# KiCad board katia.kicad_pcb
title: Katia Keyboard; date: 2026-08-24; rev: ${REVISION}; company: Author: I. Kajdan
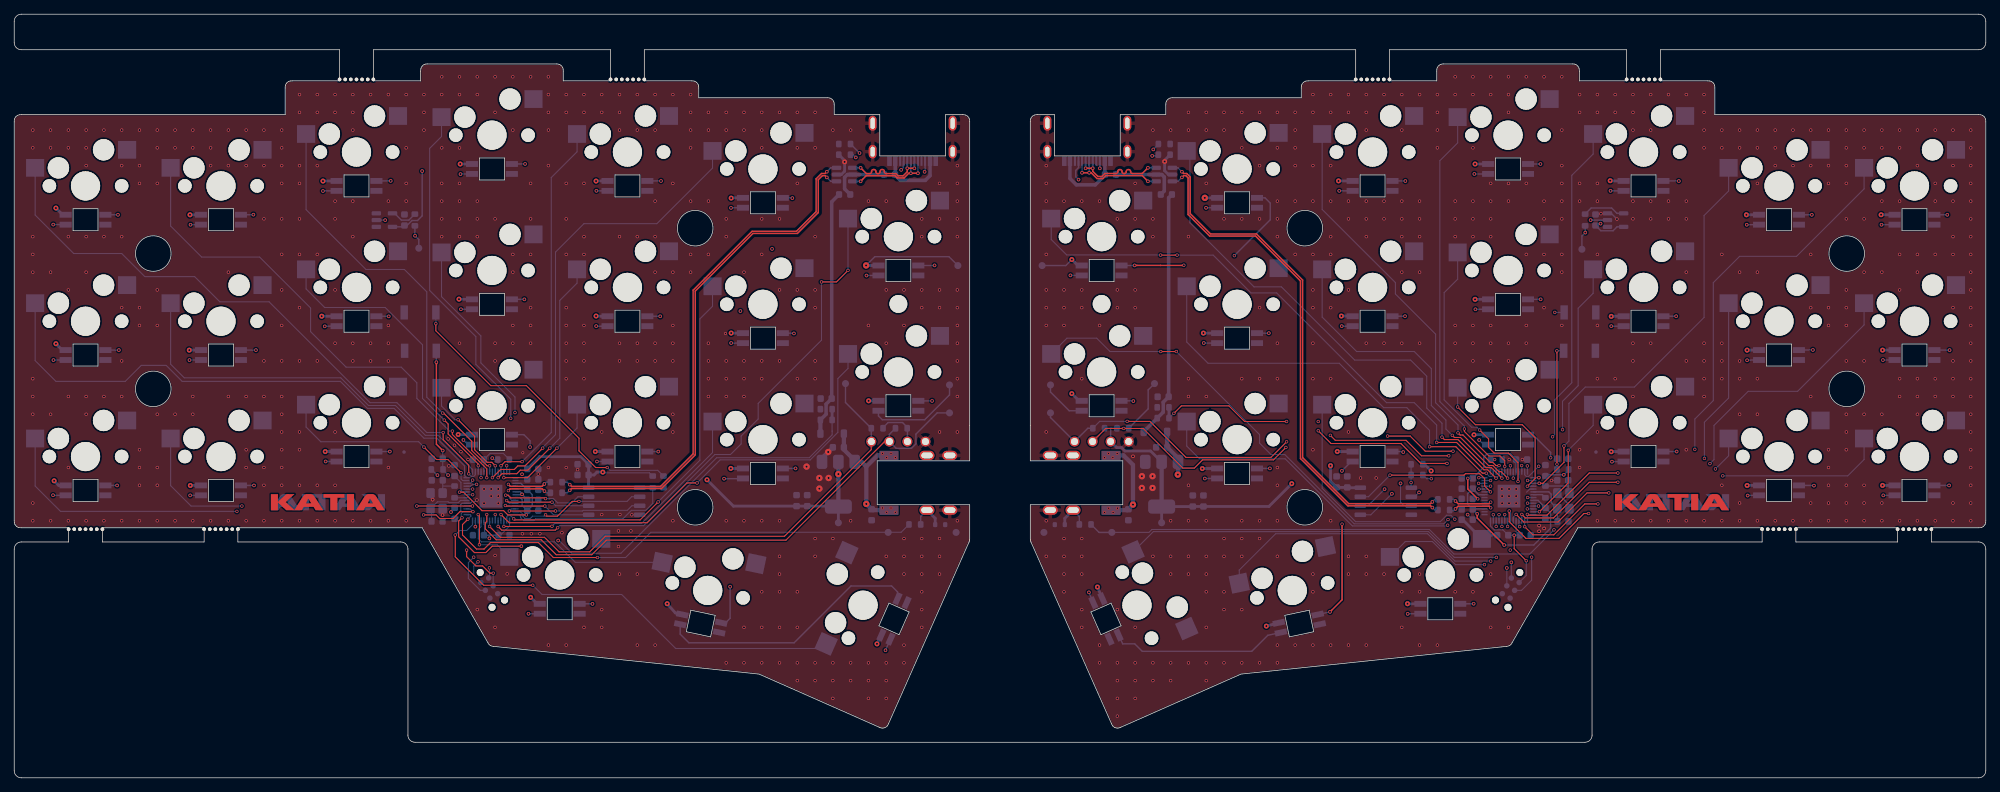
[diagram p0: board, top side]
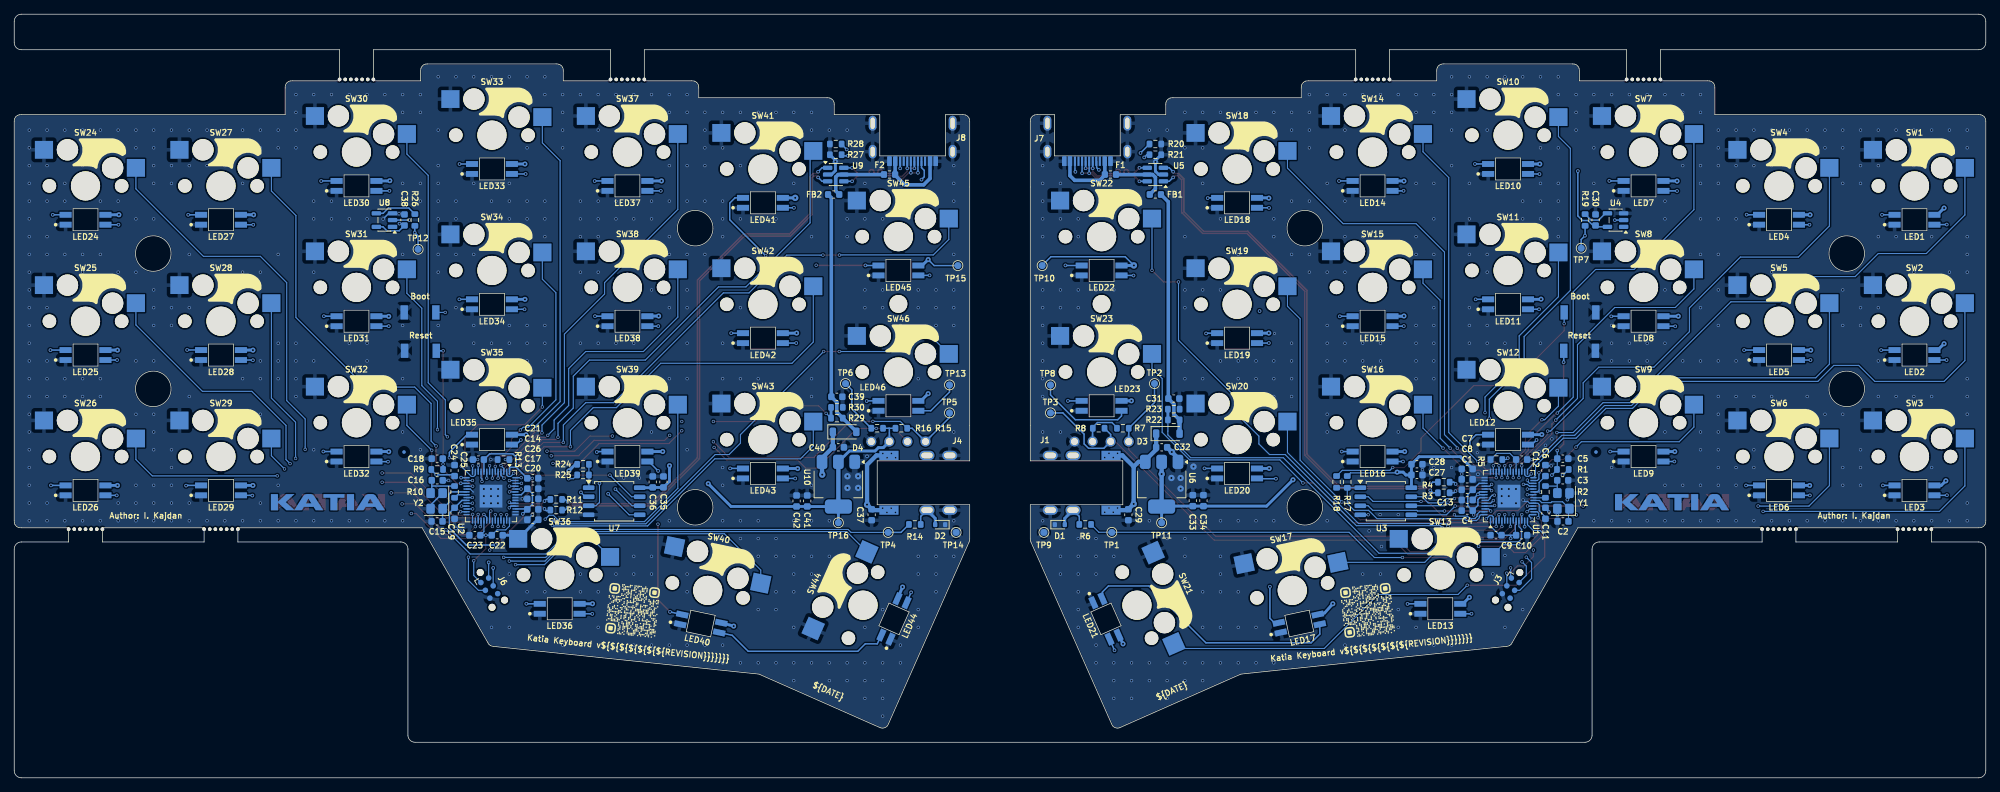
[diagram p1: board, bottom side, seen from below]

Outline 277.23 x 107.49 mm; copper layers: Top, In1.Cu, In2.Cu, Bottom. Coordinates in mm from the lower left corner of the outline.
Outline path: circle c19.55,73.8 r2.5 ; circle c19.55,54.75 r2.5 ; circle c95.75,77.37 r2.5 ; circle c95.75,38.08 r2.5 ; circle c181.48,77.37 r2.5 ; circle c181.48,38.08 r2.5 ; circle c257.68,73.8 r2.5 ; circle c257.68,54.75 r2.5 ; 0,92.35 0,36.2 ; 1,35.2 7.65,35.2 7.65,33.2 1,33.2 arc(0.29,32.91) 0,32.2 0,1 arc(0.29,0.29) 1,0 276.23,0 arc(276.93,0.29) 277.23,1 277.23,32.2 arc(276.93,32.91) 276.23,33.2 269.58,33.2 269.58,35.2 276.23,35.2 ; 38.1,97.11 38.1,93.35 1,93.35 ; 39.1,98.11 45.75,98.11 45.75,102.49 1,102.49 arc(0.29,102.79) 0,103.49 0,106.49 arc(0.29,107.2) 1,107.49 276.23,107.49 arc(276.93,107.2) 277.23,106.49 277.23,103.49 arc(276.93,102.79) 276.23,102.49 231.48,102.49 231.48,98.11 238.13,98.11 ; 220.86,5 56.36,5 arc(55.65,5.29) 55.36,6 55.36,32.2 arc(55.07,32.91) 54.36,33.2 31.45,33.2 31.45,35.2 57.36,35.2 66.61,19 ; 57.15,99.49 57.15,98.11 50.5,98.11 50.5,102.49 83.85,102.49 83.85,98.11 77.2,98.11 77.2,99.49 ; 67.38,18.51 104.73,14.6 121.62,7.12 ; 76.2,100.49 58.15,100.49 ; 95.25,98.11 88.6,98.11 88.6,102.49 188.63,102.49 188.63,98.11 181.98,98.11 ; 96.25,97.11 96.25,95.73 114.3,95.73 ; 115.3,94.73 115.3,93.35 121.71,93.35 121.71,87.55 130.95,87.55 130.95,93.35 133.35,93.35 ; 122.94,7.63 134.26,33.21 ; 134.35,92.35 134.35,44.62 121.35,44.62 121.35,38.44 134.35,38.44 134.35,33.61 ; 142.88,92.35 142.88,44.62 155.88,44.62 155.88,38.44 142.88,38.44 142.88,33.61 ; 143.88,93.35 146.28,93.35 146.28,87.55 155.52,87.55 155.52,93.35 161.93,93.35 161.93,94.73 ; 154.28,7.63 142.96,33.21 ; 162.93,95.73 180.98,95.73 180.98,97.11 ; 155.6,7.12 172.49,14.6 209.85,18.51 ; 200.03,99.49 200.03,98.11 193.38,98.11 193.38,102.49 226.73,102.49 226.73,98.11 220.08,98.11 220.08,99.49 ; 201.03,100.49 219.08,100.49 ; 210.61,19 219.87,35.2 245.78,35.2 245.78,33.2 222.87,33.2 arc(222.16,32.91) 221.87,32.2 221.87,6 arc(221.57,5.29) 220.87,5 ; 239.13,97.11 239.13,93.35 276.23,93.35 ; 277.23,92.35 277.23,36.2 ; 12.4,35.2 12.4,33.2 26.7,33.2 26.7,35.2 12.4,35.2 ; 250.53,35.2 250.53,33.2 264.83,33.2 264.83,35.2 250.53,35.2
Stack: Top 0.035mm / dielectric 0.196mm FR4 er 4.5 / In1.Cu 0.035mm / dielectric 1.03mm FR4 er 4.5 / In2.Cu 0.035mm / dielectric 0.196mm FR4 er 4.5 / Bottom 0.035mm

## Placement (name value [footprint] x y rotation side)
BT1  Breakaway Tabs  [Mouse_Bites_7p]  48.13 98.31 0 top
BT2  Breakaway Tabs  [Mouse_Bites_7p]  86.23 98.31 0 top
BT3  Breakaway Tabs  [Mouse_Bites_7p]  191 98.31 0 top
BT4  Breakaway Tabs  [Mouse_Bites_7p]  229.1 98.31 0 top
BT5  Breakaway Tabs  [Mouse_Bites_7p]  10.03 35 0 top
BT6  Breakaway Tabs  [Mouse_Bites_7p]  29.08 35 0 top
BT7  Breakaway Tabs  [Mouse_Bites_7p]  248.15 35 0 top
BT8  Breakaway Tabs  [Mouse_Bites_7p]  267.2 35 0 top
C1  1u  [C_0603_1608Metric]  72.92 40.55 0 bottom
C2  15p  [C_0603_1608Metric]  59.45 36.09 0 bottom
C3  15p  [C_0603_1608Metric]  59.48 41.87 180 bottom
C4  100n  [C_0603_1608Metric]  72.92 37.61 0 bottom
C5  100n  [C_0603_1608Metric]  59.48 44.92 180 bottom
C6  100n  [C_0603_1608Metric]  61.92 43.25 90 bottom
C7  1u  [C_0603_1608Metric]  72.92 43.47 0 bottom
C8  100n  [C_0603_1608Metric]  72.92 42.01 0 bottom
C9  100n  [C_0603_1608Metric]  68.87 34.15 0 bottom
C10  100n  [C_0603_1608Metric]  65.27 34.14 180 bottom
C11  100n  [C_0603_1608Metric]  61.92 37.23 270 bottom
C12  100n  [C_0603_1608Metric]  65.27 44.8 180 bottom
C13  100n  [C_0603_1608Metric]  72.92 39.11 0 bottom
C14  1u  [C_0603_1608Metric]  204.31 40.7 180 bottom
C15  15p  [C_0603_1608Metric]  217.77 36.09 0 bottom
C16  15p  [C_0603_1608Metric]  217.74 41.87 180 bottom
C17  100n  [C_0603_1608Metric]  204.31 37.79 180 bottom
C18  100n  [C_0603_1608Metric]  217.75 44.92 0 bottom
C19  100n  [C_0603_1608Metric]  215.31 37.23 270 bottom
C20  1u  [C_0603_1608Metric]  204.31 36.33 180 bottom
C21  100n  [C_0603_1608Metric]  204.31 42.16 180 bottom
C22  100n  [C_0603_1608Metric]  209.31 34.14 180 bottom
C23  100n  [C_0603_1608Metric]  212.46 34.14 0 bottom
C24  100n  [C_0603_1608Metric]  215.31 43.25 90 bottom
C25  100n  [C_0603_1608Metric]  211.96 44.8 0 bottom
C26  100n  [C_0603_1608Metric]  204.31 39.26 180 bottom
C27  1u  [C_0603_1608Metric]  79.98 42.63 180 bottom
C28  100n  [C_0603_1608Metric]  79.98 44.13 180 bottom
C29  1u  [C_0603_1608Metric]  120.56 37.03 270 bottom
C30  100n  [C_0603_1608Metric]  54.87 78.53 90 bottom
C31  100n  [C_0603_1608Metric]  114.17 53.39 180 bottom
C32  10u  [C_0603_1608Metric]  115.89 46.52 180 bottom
C33  100n  [C_0603_1608Metric]  111.51 39.02 90 bottom
C34  10u  [C_0603_1608Metric]  110.01 39.02 90 bottom
C35  1u  [C_0603_1608Metric]  185.94 41.65 90 bottom
C36  100n  [C_0603_1608Metric]  187.45 41.65 90 bottom
C37  1u  [C_0603_1608Metric]  156.66 37.03 270 bottom
C38  100n  [C_0603_1608Metric]  222.35 78.53 90 bottom
C39  100n  [C_0603_1608Metric]  161.55 53.64 180 bottom
C40  10u  [C_0603_1608Metric]  161.34 46.52 180 bottom
C41  100n  [C_0603_1608Metric]  165.72 38.97 90 bottom
C42  10u  [C_0603_1608Metric]  167.22 38.97 90 bottom
D1  LKE05D5-B  [D_SOD-523]  130.2 35.64 180 bottom
D2  LKE05D5-B  [D_SOD-523]  147.02 35.64 0 bottom
D3  CDBM240L-HF  [D_SOD-123]  115.01 48.45 180 bottom
D4  CDBM240L-HF  [D_SOD-123]  160.47 48.7 180 bottom
F1  SMD0603P050TF  [Fuse_0603_1608Metric]  123.08 84.92 180 bottom
F2  SMD0603P050TF  [Fuse_0603_1608Metric]  154.15 84.92 0 bottom
FB1  BLM18EG471SZ1D  [L_0603_1608Metric]  116.77 82.11 180 bottom
FB2  BLM18EG471SZ1D  [L_0603_1608Metric]  162.01 82.11 0 bottom
FID1  Fiducial  [Fiducial_0.5mm_Mask1.5mm]  54.81 45.85 0 bottom
FID2  Fiducial  [Fiducial_0.5mm_Mask1.5mm]  222.41 45.85 0 bottom
G***  -  [Logo]  44.11 38.8 0 top
G***#2  -  [Logo]  233.11 38.8 0 top
G***#3  LOGO  [QR_Code]  190.28 23.57 186 bottom
G***#4  LOGO  [QR_Code]  86.94 23.57 174 bottom
G***#5  -  [Logo]  44.11 38.8 180 bottom
G***#6  -  [Logo]  233.11 38.8 180 bottom
J1  -  [PJ-398A-5A]  134.35 41.53 90 bottom
J2  Conn_01x04  [OLED_Screen]  124.33 47.33 0 top
J3  TC2030-NL  [Tag-Connect_TC2030-IDC-NL_2x03_P1.27mm_Vertical]  66.8 26.7 300 bottom
J4  -  [PJ-398A-5A]  142.88 41.53 270 bottom
J5  Conn_01x04  [OLED_Screen]  152.9 47.33 0 top
J6  TC2030-NL  [Tag-Connect_TC2030-IDC-NL_2x03_P1.27mm_Vertical]  210.43 26.7 240 bottom
J7  -  [TYPE-C-31-M-13C]  126.33 92.14 0 bottom
J8  -  [TYPE-C-31-M-13C]  150.9 92.14 0 bottom
LED1  -  [YS-SK6812MINI-E]  10.03 78.56 180 bottom
LED2  -  [YS-SK6812MINI-E]  10.03 59.51 180 bottom
LED3  -  [YS-SK6812MINI-E]  10.03 40.46 180 bottom
LED4  -  [YS-SK6812MINI-E]  29.08 78.56 180 bottom
LED5  -  [YS-SK6812MINI-E]  29.08 59.51 180 bottom
LED6  -  [YS-SK6812MINI-E]  29.08 40.46 180 bottom
LED7  -  [YS-SK6812MINI-E]  48.13 83.32 180 bottom
LED8  -  [YS-SK6812MINI-E]  48.13 64.27 180 bottom
LED9  -  [YS-SK6812MINI-E]  48.13 45.22 180 bottom
LED10  -  [YS-SK6812MINI-E]  67.18 85.7 180 bottom
LED11  -  [YS-SK6812MINI-E]  67.18 66.65 180 bottom
LED12  -  [YS-SK6812MINI-E]  67.18 47.6 180 bottom
LED13  -  [YS-SK6812MINI-E]  76.7 23.79 180 bottom
LED14  -  [YS-SK6812MINI-E]  86.23 83.32 180 bottom
LED15  -  [YS-SK6812MINI-E]  86.23 64.27 180 bottom
LED16  -  [YS-SK6812MINI-E]  86.23 45.22 180 bottom
LED17  -  [YS-SK6812MINI-E]  96.53 21.72 168.1 bottom
LED18  -  [YS-SK6812MINI-E]  105.28 80.94 180 bottom
LED19  -  [YS-SK6812MINI-E]  105.28 61.89 180 bottom
LED20  -  [YS-SK6812MINI-E]  105.28 42.84 180 bottom
LED21  -  [YS-SK6812MINI-E]  123.71 22.37 246.1 bottom
LED22  -  [YS-SK6812MINI-E]  124.33 71.42 180 bottom
LED23  -  [YS-SK6812MINI-E]  124.33 52.37 180 bottom
LED24  -  [YS-SK6812MINI-E]  267.2 78.56 180 bottom
LED25  -  [YS-SK6812MINI-E]  267.2 59.51 180 bottom
LED26  -  [YS-SK6812MINI-E]  267.2 40.46 180 bottom
LED27  -  [YS-SK6812MINI-E]  248.15 78.56 180 bottom
LED28  -  [YS-SK6812MINI-E]  248.15 59.51 180 bottom
LED29  -  [YS-SK6812MINI-E]  248.15 40.46 180 bottom
LED30  -  [YS-SK6812MINI-E]  229.1 83.32 180 bottom
LED31  -  [YS-SK6812MINI-E]  229.1 64.27 180 bottom
LED32  -  [YS-SK6812MINI-E]  229.1 45.22 180 bottom
LED33  -  [YS-SK6812MINI-E]  210.05 85.7 180 bottom
LED34  -  [YS-SK6812MINI-E]  210.05 66.65 180 bottom
LED35  -  [YS-SK6812MINI-E]  210.05 47.6 180 bottom
LED36  -  [YS-SK6812MINI-E]  200.53 23.79 180 bottom
LED37  -  [YS-SK6812MINI-E]  191 83.32 180 bottom
LED38  -  [YS-SK6812MINI-E]  191 64.27 180 bottom
LED39  -  [YS-SK6812MINI-E]  191 45.22 180 bottom
LED40  -  [YS-SK6812MINI-E]  180.7 21.72 191.9 bottom
LED41  -  [YS-SK6812MINI-E]  171.95 80.94 180 bottom
LED42  -  [YS-SK6812MINI-E]  171.95 61.89 180 bottom
LED43  -  [YS-SK6812MINI-E]  171.95 42.84 180 bottom
LED44  -  [YS-SK6812MINI-E]  153.51 22.37 113.9 bottom
LED45  -  [YS-SK6812MINI-E]  152.9 71.42 180 bottom
LED46  -  [YS-SK6812MINI-E]  152.9 52.37 180 bottom
MH1  -  [MountingHole_2.5mm]  124.33 66.7 0 top
MH2  -  [MountingHole_2.5mm]  152.9 66.7 0 top
R1  10k  [R_0603_1608Metric]  59.47 43.4 0 bottom
R2  1k  [R_0603_1608Metric]  61.92 40.24 270 bottom
R3  27R  [R_0603_1608Metric]  76.21 40.12 180 bottom
R4  27R  [R_0603_1608Metric]  76.21 41.62 0 bottom
R5  10k  [R_0603_1608Metric]  68.8 44.8 180 bottom
R6  0R  [R_0603_1608Metric]  126.64 35.66 180 bottom
R7  10k  [R_0603_1608Metric]  121.34 49.2 180 bottom
R8  10k  [R_0603_1608Metric]  124.74 49.2 180 bottom
R9  10k  [R_0603_1608Metric]  217.75 43.4 180 bottom
R10  1k  [R_0603_1608Metric]  215.31 40.24 270 bottom
R11  27R  [R_0603_1608Metric]  201.01 39.19 0 bottom
R12  27R  [R_0603_1608Metric]  201.01 37.69 180 bottom
R13  10k  [R_0603_1608Metric]  208.42 44.8 180 bottom
R14  0R  [R_0603_1608Metric]  150.59 35.66 0 bottom
R15  10k  [R_0603_1608Metric]  152.49 49.2 180 bottom
R16  10k  [R_0603_1608Metric]  155.89 49.2 0 bottom
R17  10k  [R_0603_1608Metric]  89.78 41.65 90 bottom
R18  1k  [R_0603_1608Metric]  91.29 41.65 90 bottom
R19  470R  [R_0603_1608Metric]  56.34 78.53 270 bottom
R20  5k1  [R_0603_1608Metric]  116.77 89.22 0 bottom
R21  5k1  [R_0603_1608Metric]  116.77 87.71 0 bottom
R22  5k6  [R_0603_1608Metric]  114.18 50.38 0 bottom
R23  10k  [R_0603_1608Metric]  114.18 51.89 180 bottom
R24  10k  [R_0603_1608Metric]  197.24 44.13 0 bottom
R25  1k  [R_0603_1608Metric]  197.24 42.63 0 bottom
R26  470R  [R_0603_1608Metric]  220.89 78.53 270 bottom
R27  5k1  [R_0603_1608Metric]  161.71 87.71 180 bottom
R28  5k1  [R_0603_1608Metric]  161.71 89.22 180 bottom
R29  5k6  [R_0603_1608Metric]  161.55 50.63 0 bottom
R30  10k  [R_0603_1608Metric]  161.55 52.14 180 bottom
SW1  SW_Push  [SW_Cherry-MX_Hotswap_1u]  10.03 83.32 180 bottom
SW2  SW_Push  [SW_Cherry-MX_Hotswap_1u]  10.03 64.27 180 bottom
SW3  SW_Push  [SW_Cherry-MX_Hotswap_1u]  10.03 45.22 180 bottom
SW4  SW_Push  [SW_Cherry-MX_Hotswap_1u]  29.08 83.32 180 bottom
SW5  SW_Push  [SW_Cherry-MX_Hotswap_1u]  29.08 64.27 180 bottom
SW6  SW_Push  [SW_Cherry-MX_Hotswap_1u]  29.08 45.22 180 bottom
SW7  SW_Push  [SW_Cherry-MX_Hotswap_1u]  48.13 88.09 180 bottom
SW8  SW_Push  [SW_Cherry-MX_Hotswap_1u]  48.13 69.04 180 bottom
SW9  SW_Push  [SW_Cherry-MX_Hotswap_1u]  48.13 49.99 180 bottom
SW10  SW_Push  [SW_Cherry-MX_Hotswap_1u]  67.18 90.47 180 bottom
SW11  SW_Push  [SW_Cherry-MX_Hotswap_1u]  67.18 71.42 180 bottom
SW12  SW_Push  [SW_Cherry-MX_Hotswap_1u]  67.18 52.37 180 bottom
SW13  SW_Push  [SW_Cherry-MX_Hotswap_1u]  76.7 28.55 180 bottom
SW14  SW_Push  [SW_Cherry-MX_Hotswap_1u]  86.23 88.09 180 bottom
SW15  SW_Push  [SW_Cherry-MX_Hotswap_1u]  86.23 69.04 180 bottom
SW16  SW_Push  [SW_Cherry-MX_Hotswap_1u]  86.23 49.99 180 bottom
SW17  SW_Push  [SW_Cherry-MX_Hotswap_1u]  97.51 26.38 168.1 bottom
SW18  SW_Push  [SW_Cherry-MX_Hotswap_1u]  105.28 85.7 180 bottom
SW19  SW_Push  [SW_Cherry-MX_Hotswap_1u]  105.28 66.65 180 bottom
SW20  SW_Push  [SW_Cherry-MX_Hotswap_1u]  105.28 47.6 180 bottom
SW21  SW_Push  [SW_Cherry-MX_Hotswap_1.5u]  119.36 24.3 246.1 bottom
SW22  SW_Push  [SW_Cherry-MX_Hotswap_1u]  124.33 76.18 180 bottom
SW23  SW_Push  [SW_Cherry-MX_Hotswap_1u]  124.33 57.13 180 bottom
SW24  SW_Push  [SW_Cherry-MX_Hotswap_1u]  267.2 83.32 180 bottom
SW25  SW_Push  [SW_Cherry-MX_Hotswap_1u]  267.2 64.27 180 bottom
SW26  SW_Push  [SW_Cherry-MX_Hotswap_1u]  267.2 45.22 180 bottom
SW27  SW_Push  [SW_Cherry-MX_Hotswap_1u]  248.15 83.32 180 bottom
SW28  SW_Push  [SW_Cherry-MX_Hotswap_1u]  248.15 64.27 180 bottom
SW29  SW_Push  [SW_Cherry-MX_Hotswap_1u]  248.15 45.22 180 bottom
SW30  SW_Push  [SW_Cherry-MX_Hotswap_1u]  229.1 88.09 180 bottom
SW31  SW_Push  [SW_Cherry-MX_Hotswap_1u]  229.1 69.04 180 bottom
SW32  SW_Push  [SW_Cherry-MX_Hotswap_1u]  229.1 49.99 180 bottom
SW33  SW_Push  [SW_Cherry-MX_Hotswap_1u]  210.05 90.47 180 bottom
SW34  SW_Push  [SW_Cherry-MX_Hotswap_1u]  210.05 71.42 180 bottom
SW35  SW_Push  [SW_Cherry-MX_Hotswap_1u]  210.05 52.37 180 bottom
SW36  SW_Push  [SW_Cherry-MX_Hotswap_1u]  200.53 28.55 180 bottom
SW37  SW_Push  [SW_Cherry-MX_Hotswap_1u]  191 88.09 180 bottom
SW38  SW_Push  [SW_Cherry-MX_Hotswap_1u]  191 69.04 180 bottom
SW39  SW_Push  [SW_Cherry-MX_Hotswap_1u]  191 49.99 180 bottom
SW40  SW_Push  [SW_Cherry-MX_Hotswap_1u]  179.71 26.38 191.9 bottom
SW41  SW_Push  [SW_Cherry-MX_Hotswap_1u]  171.95 85.7 180 bottom
SW42  SW_Push  [SW_Cherry-MX_Hotswap_1u]  171.95 66.65 180 bottom
SW43  SW_Push  [SW_Cherry-MX_Hotswap_1u]  171.95 47.6 180 bottom
SW44  SW_Push  [SW_Cherry-MX_Hotswap_1.5u]  157.87 24.3 113.9 bottom
SW45  SW_Push  [SW_Cherry-MX_Hotswap_1u]  152.9 76.18 180 bottom
SW46  SW_Push  [SW_Cherry-MX_Hotswap_1u]  152.9 57.13 180 bottom
TACTSW1  -  [TS-1088R-02026]  57.12 60.11 0 bottom
TACTSW2  -  [TS-1088R-02026]  220.11 60.11 180 bottom
TACTSW3  -  [TS-1088R-02026]  57.06 65.51 0 bottom
TACTSW4  -  [TS-1088R-02026]  220.17 65.51 180 bottom
TP1  TX  [TestPoint_Pad_D1.0mm]  122.89 34.54 0 bottom
TP2  SDA  [TestPoint_Pad_D1.0mm]  116.89 55.49 180 bottom
TP3  SCL  [TestPoint_Pad_D1.0mm]  131.51 51.37 180 bottom
TP4  TX  [TestPoint_Pad_D1.0mm]  154.34 34.54 0 bottom
TP5  SDA  [TestPoint_Pad_D1.0mm]  145.71 51.37 180 bottom
TP6  SCL  [TestPoint_Pad_D1.0mm]  160.34 55.49 180 bottom
TP7  TX  [TestPoint_Pad_D1.0mm]  56.89 74.55 0 bottom
TP8  TX  [TestPoint_Pad_D1.0mm]  131.51 55.3 0 bottom
TP9  GND  [TestPoint_Pad_D1.0mm]  132.44 34.54 0 bottom
TP10  5V  [TestPoint_Pad_D1.0mm]  132.69 72.1 0 bottom
TP11  3V3  [TestPoint_Pad_D1.0mm]  115.89 35.9 0 bottom
TP12  TX  [TestPoint_Pad_D1.0mm]  220.44 74.4 0 bottom
TP13  TX  [TestPoint_Pad_D1.0mm]  145.71 55.3 180 bottom
TP14  GND  [TestPoint_Pad_D1.0mm]  144.79 34.54 0 bottom
TP15  5V  [TestPoint_Pad_D1.0mm]  144.54 72.1 0 bottom
TP16  3V3  [TestPoint_Pad_D1.0mm]  161.34 35.9 0 bottom
U1  RP2040  [QFN-56-1EP_7x7mm_P0.4mm_EP3.2x3.2mm]  67.04 39.65 90 bottom
U2  RP2040  [QFN-56-1EP_7x7mm_P0.4mm_EP3.2x3.2mm]  210.18 39.65 270 bottom
U3  W25Q128JVSIQ  [SOIC-8_5.3x5.3mm_P1.27mm]  84.36 38.93 180 bottom
U4  SN74LV1T34DBV  [SOT-23-5]  52.06 78.51 0 bottom
U5  USBLC6-2SC6  [SOT-23-6]  116.77 84.92 0 bottom
U6  NCP1117LPST33T3G  [SOT-223-3_TabPin2]  115.89 41.33 270 bottom
U7  W25Q128JVSIQ  [SOIC-8_5.3x5.3mm_P1.27mm]  192.86 38.93 180 bottom
U8  SN74LV1T34DBV  [SOT-23-5]  225.17 78.51 0 bottom
U9  USBLC6-2SC6  [SOT-23-6]  161.71 84.92 180 bottom
U10  NCP1117LPST33T3G  [SOT-223-3_TabPin2]  161.34 41.33 270 bottom
Y1  ABM8-272-T3  [Crystal_SMD_3225-4Pin_3.2x2.5mm]  59.39 38.98 90 bottom
Y2  ABM8-272-T3  [Crystal_SMD_3225-4Pin_3.2x2.5mm]  217.83 38.98 90 bottom

## Library data of the parts
BT1-BT8 = -: ki_fp_filters: MountingHole*
C1 C7 C14 C20 C27 C29 C35 C37 = -: JLCPCB Part #: C15849; ki_fp_filters: C_*
C2 C3 C15 C16 = -: JLCPCB Part #: C1644; ki_fp_filters: C_*
C4-C6 C8-C13 C17-C19 C21-C26 C28 C30 C31 C33 C36 C38 C39 C41 = -: JLCPCB Part #: C14663; ki_fp_filters: C_*
C32 C34 C40 C42 = -: JLCPCB Part #: C19702; ki_fp_filters: C_*
D1 D2 = -: Datasheet: https://www.lcsc.com/datasheet/C2984825.pdf; Description: Bidirectional transient-voltage-suppression diode, small symbol; JLCPCB Part #: C2984825; ki_fp_filters: TO-???* *_Diode_* *SingleDiode* D_*
D3 D4 = -: Datasheet: https://www.lcsc.com/datasheet/C3012684.pdf; Description: Schottky diode, small symbol; JLCPCB Part #: C3012684; ki_fp_filters: TO-???* *_Diode_* *SingleDiode* D_*
F1 F2 = -: Datasheet: https://www.pttc.com.tw/files/Products/OCP/PPTC/SMD/file/Data%20Sheet%20for%20SMD0603%20Series%20(Rev.%20I1).pdf; Description: Resettable fuse, polymeric positive temperature coefficient, small symbol; JLCPCB Part #: C20789; ki_fp_filters: *polyfuse* *PTC*
FB1 FB2 = -: Datasheet: https://www.lcsc.com/datasheet/C710366.pdf; JLCPCB Part #: C710366; ki_fp_filters: Inductor_* L_* *Ferrite*
J1 J4 = -: Datasheet: https://lcsc.com/datasheet/lcsc_datasheet_2411220706_Korean-Hroparts-Elec-PJ-398A-5A_C707238.pdf; JLCPCB Part #: C707238; ki_fp_filters: Jack*
J2 J5 = -: Description: OLED; ki_fp_filters: Connector*:*_1x??_*
J3 J6 = -: Datasheet: https://www.tag-connect.com/wp-content/uploads/bsk-pdf-manager/TC2030-CTX_1.pdf; Description: DEBUG; ki_fp_filters: *TC2030*
J7 J8 = -: Datasheet: https://www.usb.org/sites/default/files/documents/usb_type-c.zip; Description: USB 2.0-only 16P Type-C Receptacle connector; JLCPCB Part #: C2848620; ki_fp_filters: USB*C*Receptacle*
LED1-LED46 = -: Datasheet: https://cdn-shop.adafruit.com/product-files/4960/4960_SK6812MINI-E_REV02_EN.pdf; Description: RGB LED with integrated controller; JLCPCB Part #: C5149201; ki_fp_filters: LED*SK6812MINI*PLCC*3.5x3.5mm*P1.75mm*
R1 R5 R7-R9 R13 R15 R16 R23 R30 = -: JLCPCB Part #: C98220; ki_fp_filters: R_*
R2 R10 R18 R25 = -: Description: Resistor, small symbol; JLCPCB Part #: C22548; ki_fp_filters: R_*
R3 R4 R11 R12 = -: JLCPCB Part #: C25190; ki_fp_filters: R_*
R6 R14 = -: JLCPCB Part #: C713447; ki_fp_filters: R_*
R17 R24 = -: Description: Resistor, small symbol; JLCPCB Part #: C98220; ki_fp_filters: R_*
R19 R26 = -: Description: Resistor, small symbol; JLCPCB Part #: C23179; ki_fp_filters: R_*
R20 R21 R27 R28 = -: JLCPCB Part #: C2907044; ki_fp_filters: R_*
R22 R29 = -: JLCPCB Part #: C114627; ki_fp_filters: R_*
TACTSW1 TACTSW2 = -: Datasheet: https://lcsc.com/datasheet/lcsc_datasheet_2410121507_XUNPU-TS-1088R-02026_C455280.pdf; Description: Reset; JLCPCB Part #: C455280
TACTSW3 TACTSW4 = -: Datasheet: https://lcsc.com/datasheet/lcsc_datasheet_2410121507_XUNPU-TS-1088R-02026_C455280.pdf; Description: Boot; JLCPCB Part #: C455280
TP1-TP16 = -: ki_fp_filters: Pin* Test*
U1 U2 = -: Datasheet: https://datasheets.raspberrypi.com/rp2040/rp2040-datasheet.pdf; Description: https://datasheets.raspberrypi.com/rp2040/hardware-design-with-rp2040.pdf; JLCPCB Part #: C2040; ki_fp_filters: QFN*1EP*7x7mm?P0.4mm*
U3 U7 = -: Datasheet: https://www.winbond.com/resource-files/w25q128jv_dtr%20revc%2003272018%20plus.pdf; JLCPCB Part #: C113767; ki_fp_filters: *SOIC*5.3x5.3mm*P1.27mm*
U4 U8 = -: Datasheet: https://www.ti.com/lit/ds/symlink/sn74lv1t34.pdf; Description: Single Power Supply, Single Buffer GATE, CMOS Logic, Level Shifter, SOT-23-5; JLCPCB Part #: C100024; ki_fp_filters: SOT?23*
U5 U9 = -: Datasheet: https://www.st.com/resource/en/datasheet/usblc6-2.pdf; JLCPCB Part #: C7519; ki_fp_filters: SOT?23*
U6 U10 = -: Datasheet: https://www.onsemi.com/pdf/datasheet/ncp1117-d.pdf; JLCPCB Part #: C146799; ki_fp_filters: SOT?223*TabPin2*
Y1 Y2 = -: Datasheet: https://abracon.com/datasheets/ABM8-272-T3.pdf; Description: 12MHz 18pF ±20ppm SMD3225-4P Crystals ROHS; MFR.Part #: Q22FA23V0041800; JLCPCB Part #: C91749; ki_fp_filters: Crystal*

## Footprints (pads in the part's own frame, mm; a bottom-side part is the same pattern mirrored in y, then rotated)
C_0603_1608Metric
  rrect 0.9x0.95 smd: 1(-0.775,0) 2(0.775,0)
Crystal_SMD_3225-4Pin_3.2x2.5mm
  rrect 1.4x1.2 smd: 1(-1.1,-0.85) 2(1.1,-0.85) 3(1.1,0.85) 4(-1.1,0.85)
D_SOD-123
  rrect 0.9x1.2 smd: 1(-1.65,0) 2(1.65,0)
D_SOD-523
  rrect 0.6x0.7 smd: 1(-0.7,0) 2(0.7,0)
Fiducial_0.5mm_Mask1.5mm
  round 0.5 smd: (0,0)
Fuse_0603_1608Metric
  rrect 0.875x0.95 smd: 1(-0.787,0) 2(0.787,0)
L_0603_1608Metric
  rrect 0.875x0.95 smd: 1(-0.787,0) 2(0.787,0)
MountingHole_2.5mm
  round 2.5 hole 2.5 unplated: (0,0)
Mouse_Bites_7p
  round 0.5 hole 0.5 unplated: (-2.375,0) (-1.583,0) (-0.792,0) (0,0) (0.792,0) (1.583,0) (2.375,0)
OLED_Screen
  round 1.4 hole 1: 1(-3.81,0) 2(-1.27,0) 3(1.27,0) 4(3.81,0)
PJ-398A-5A
  oval 1.3x2.1 hole 0.8x1.6: R(-3.85,-6) R(3.85,-6) S(-3.85,-2.8) S(3.85,-2.8)
  rect 1.3x2.7 smd: T(-3.85,-11.35) T(3.85,-11.35)
QFN-56-1EP_7x7mm_P0.4mm_EP3.2x3.2mm
  rrect 1.29x1.29 smd: (-0.8,-0.8) (-0.8,0.8) (0.8,-0.8) (0.8,0.8)
  rrect 0.875x0.2 smd: 1(-3.438,2.6) 2(-3.438,2.2) 3(-3.438,1.8) 4(-3.438,1.4) 5(-3.438,1) 6(-3.438,0.6) 7(-3.438,0.2) 8(-3.438,-0.2) 9(-3.438,-0.6) 10(-3.438,-1) 11(-3.438,-1.4) 12(-3.438,-1.8) 13(-3.438,-2.2) 14(-3.438,-2.6) 29(3.438,-2.6) 30(3.438,-2.2) 31(3.438,-1.8) 32(3.438,-1.4) 33(3.438,-1) 34(3.438,-0.6) 35(3.438,-0.2) 36(3.438,0.2) 37(3.438,0.6) 38(3.438,1) 39(3.438,1.4) 40(3.438,1.8) 41(3.438,2.2) 42(3.438,2.6)
  rrect 0.2x0.875 smd: 15(-2.6,-3.438) 16(-2.2,-3.438) 17(-1.8,-3.438) 18(-1.4,-3.438) 19(-1,-3.438) 20(-0.6,-3.438) 21(-0.2,-3.438) 22(0.2,-3.438) 23(0.6,-3.438) 24(1,-3.438) 25(1.4,-3.438) 26(1.8,-3.438) 27(2.2,-3.438) 28(2.6,-3.438) 43(2.6,3.438) 44(2.2,3.438) 45(1.8,3.438) 46(1.4,3.438) 47(1,3.438) 48(0.6,3.438) 49(0.2,3.438) 50(-0.2,3.438) 51(-0.6,3.438) 52(-1,3.438) 53(-1.4,3.438) 54(-1.8,3.438) 55(-2.2,3.438) 56(-2.6,3.438)
  rect 3.2x3.2 smd: 57(0,0)
R_0603_1608Metric
  rrect 0.8x0.95 smd: 1(-0.825,0) 2(0.825,0)
SOIC-8_5.3x5.3mm_P1.27mm
  rrect 1.625x0.65 smd: 1(-3.587,1.905) 2(-3.587,0.635) 3(-3.587,-0.635) 4(-3.587,-1.905) 5(3.587,-1.905) 6(3.587,-0.635) 7(3.587,0.635) 8(3.587,1.905)
SOT-23-5
  rrect 1.325x0.6 smd: 1(-1.137,0.95) 2(-1.137,0) 3(-1.137,-0.95) 4(1.137,-0.95) 5(1.137,0.95)
SOT-23-6
  rrect 1.325x0.6 smd: 1(-1.137,0.95) 2(-1.137,0) 3(-1.137,-0.95) 4(1.137,-0.95) 5(1.137,0) 6(1.137,0.95)
SOT-223-3_TabPin2
  rrect 2x1.5 smd: 1(-3.15,2.3) 2(-3.15,0) 3(-3.15,-2.3)
  rrect 2x3.8 smd: 2(3.15,0)
SW_Cherry-MX_Hotswap_1.5u
  round 1.9 hole 1.9 unplated: (-5.08,0) (5.08,0)
  round 3 hole 3 unplated: (-2.54,5.08) (3.81,2.54)
  round 4.1 hole 4.1 unplated: (0,0)
  rect 2.55x2.5 smd: 1(7.085,2.54) 2(-5.842,5.08)
SW_Cherry-MX_Hotswap_1u
  round 1.9 hole 1.9 unplated: (-5.08,0) (5.08,0)
  round 3 hole 3 unplated: (-2.54,5.08) (3.81,2.54)
  round 4.1 hole 4.1 unplated: (0,0)
  rect 2.55x2.5 smd: 1(7.085,2.54) 2(-5.842,5.08)
Tag-Connect_TC2030-IDC-NL_2x03_P1.27mm_Vertical
  round 0.991 hole 0.991 unplated: (-2.54,0) (2.54,-1.016) (2.54,1.016)
  round 0.787 smd: 1(-1.27,-0.635) 2(-1.27,0.635) 3(0,-0.635) 4(0,0.635) 5(1.27,-0.635) 6(1.27,0.635)
TestPoint_Pad_D1.0mm
  round 1 smd: 1(0,0)
TS-1088R-02026
  rect 1.05x2 smd: 1(-2.225,0) 2(2.225,0)
TYPE-C-31-M-13C
  rect 0.6x1.3 smd: A1(-3.25,5.35) A4(-2.45,5.35) A9(2.45,5.35) A12(3.25,5.35) B1(3.25,5.35) B4(2.45,5.35) B9(-2.45,5.35) B12(-3.25,5.35)
  rect 0.3x1.3 smd: A5(-1.25,5.35) A6(-0.25,5.35) A7(0.25,5.35) A8(1.25,5.35) B5(1.75,5.35) B6(0.75,5.35) B7(-0.75,5.35) B8(-1.75,5.35)
  oval 1.1x2.1 hole 0.6x1.6: S1(-5.62,0) S1(5.62,0)
  oval 1.1x1.9 hole 0.6x1.4: S1(-5.62,4) S1(5.62,4)
YS-SK6812MINI-E
  rect 1.7x0.825 smd: 1(2.8,-0.7) 2(-2.8,-0.7) 3(-2.8,0.7) 4(2.8,0.7)
